# Altium PCB FMC_ADC_128CH_10B.PcbDoc (part 2 of 14)
Units mm, origin at the board's own origin, x right, y up, seen from the top; angles counter-clockwise.
Board outline 76.5 x 69 mm, 8 copper layers (Top Layer, Int1 (Sign), Int2 (GND), Int3 (Sign), Int4 (Sign), Int5 (GND), Int6 (Sign), Bottom Layer), stack 1.433 mm thick; 815 components, 661 nets, 3772 pads, 2072 vias.
Unrouted connection lines stored in the file: 135.
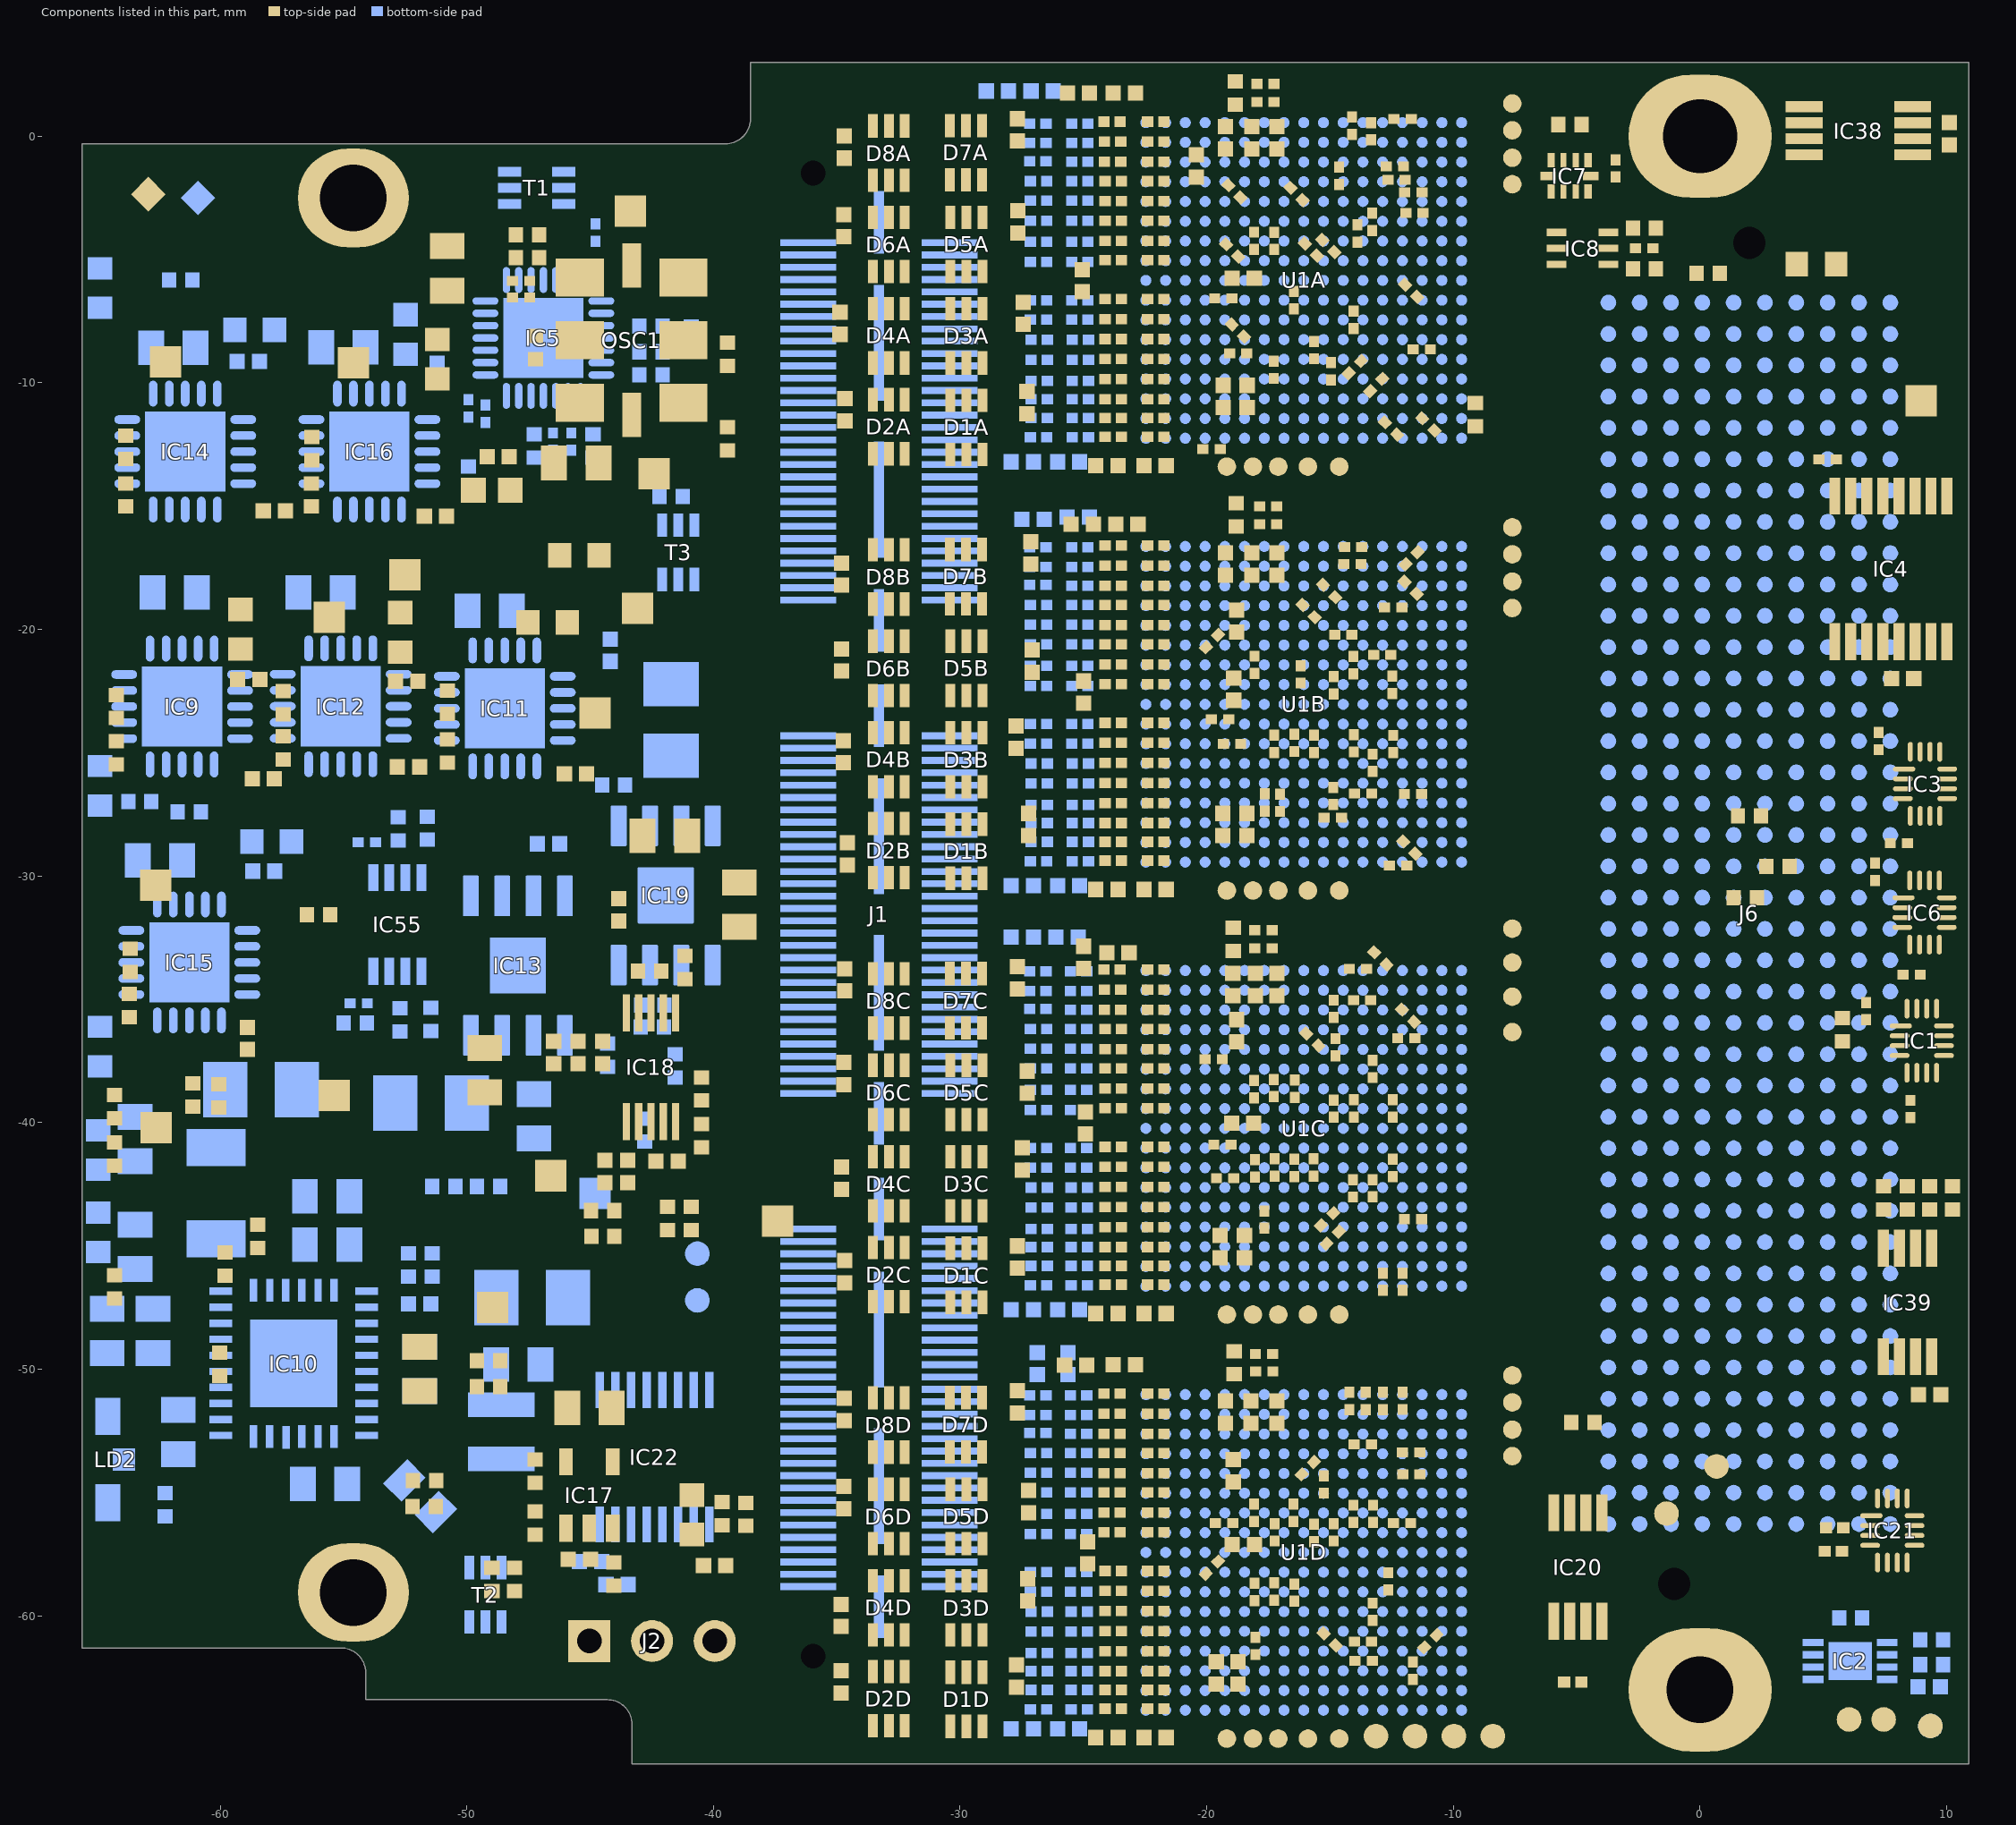
[diagram p8: the components of this part, seen from the top]

## Components (designator, comment, footprint, x,y, rotation, side; value= is the part's Value field where it differs from the comment) (continued)
D1D "D1213A-04S-7" SOT65P210X110-6N -29.74,-63.384 r270 top (schematic designator D1)
D2A "D1213A-04S-7" SOT65P210X110-6N -32.89,-11.778 r270 top (schematic designator D2)
D2B "D1213A-04S-7" SOT65P210X110-6N -32.89,-28.967 r270 top (schematic designator D2)
D2C "D1213A-04S-7" SOT65P210X110-6N -32.89,-46.163 r270 top (schematic designator D2)
D2D "D1213A-04S-7" SOT65P210X110-6N -32.89,-63.358 r270 top (schematic designator D2)
D3A "D1213A-04S-7" SOT65P210X110-6N -29.74,-8.095 r270 top (schematic designator D3)
D3B "D1213A-04S-7" SOT65P210X110-6N -29.74,-25.284 r270 top (schematic designator D3)
D3C "D1213A-04S-7" SOT65P210X110-6N -29.74,-42.48 r270 top (schematic designator D3)
D3D "D1213A-04S-7" SOT65P210X110-6N -29.74,-59.675 r270 top (schematic designator D3)
D4A "D1213A-04S-7" SOT65P210X110-6N -32.89,-8.095 r270 top (schematic designator D4)
D4B "D1213A-04S-7" SOT65P210X110-6N -32.89,-25.284 r270 top (schematic designator D4)
D4C "D1213A-04S-7" SOT65P210X110-6N -32.89,-42.48 r270 top (schematic designator D4)
D4D "D1213A-04S-7" SOT65P210X110-6N -32.89,-59.675 r270 top (schematic designator D4)
D5A "D1213A-04S-7" SOT65P210X110-6N -29.74,-4.387 r270 top (schematic designator D5)
D5B "D1213A-04S-7" SOT65P210X110-6N -29.74,-21.575 r270 top (schematic designator D5)
D5C "D1213A-04S-7" SOT65P210X110-6N -29.74,-38.771 r270 top (schematic designator D5)
D5D "D1213A-04S-7" SOT65P210X110-6N -29.74,-55.967 r270 top (schematic designator D5)
D6A "D1213A-04S-7" SOT65P210X110-6N -32.89,-4.387 r270 top (schematic designator D6)
D6B "D1213A-04S-7" SOT65P210X110-6N -32.89,-21.575 r270 top (schematic designator D6)
D6C "D1213A-04S-7" SOT65P210X110-6N -32.89,-38.771 r270 top (schematic designator D6)
D6D "D1213A-04S-7" SOT65P210X110-6N -32.89,-55.967 r270 top (schematic designator D6)
D7A "D1213A-04S-7" SOT65P210X110-6N -29.765,-0.671 r270 top (schematic designator D7)
D7B "D1213A-04S-7" SOT65P210X110-6N -29.765,-17.859 r270 top (schematic designator D7)
D7C "D1213A-04S-7" SOT65P210X110-6N -29.765,-35.055 r270 top (schematic designator D7)
D7D "D1213A-04S-7" SOT65P210X110-6N -29.765,-52.251 r270 top (schematic designator D7)
D8A "D1213A-04S-7" SOT65P210X110-6N -32.89,-0.678 r270 top (schematic designator D8)
D8B "D1213A-04S-7" SOT65P210X110-6N -32.89,-17.867 r270 top (schematic designator D8)
D8C "D1213A-04S-7" SOT65P210X110-6N -32.89,-35.063 r270 top (schematic designator D8)
D8D "D1213A-04S-7" SOT65P210X110-6N -32.89,-52.259 r270 top (schematic designator D8)
FTG1 "Use only in PCB" FIDUCIAL_TOP_C100-200 9.339,-64.464 r270 bottom
FTG2 "Use only in PCB" FIDUCIAL_TOP_S100-200 -62.912,-2.348 r270 top
FTG3 "Use only in PCB" FIDUCIAL_TOP_C100-200 9.339,-64.464 r180 top
FTG4 "Use only in PCB" FIDUCIAL_TOP_S100-200 -60.894,-2.5 r270 bottom
IC1 "SN74AXC4T245RSV" QFN40P180X260X55-16N 8.991,-36.676 r0 top
IC2 "24AA64T-I/MC" SON50P300X200X100-9N-R175X155 6.085,-61.83 r0 bottom
IC3 "SN74AXC4T245RSV" QFN40P180X260X55-16N 9.123,-26.26 r0 top
IC4 "SN74LVC138APW" SOP65P640X110-16N 7.738,-17.539 r90 top
IC5 "CDCLVD1208RHDT" QFN50P500X500X100-29N-S325 -46.894,-8.178 r180 bottom
IC6 "SN74AXC4T245RSV" QFN40P180X260X55-16N 9.1,-31.479 r0 top
IC7 "SN65LVDS4RSET" "TEXAS_RSE (R-PUQFN-N10)" -5.288,-1.605 r270 top
IC8 "NC7SV157P6X" SC70-6 -5.817,-3.893 r270 top
IC9 "TPS74901RGWT" QFN65P500X500X100-21N-S325 -61.541,-23.125 r270 bottom locked
IC10 "MPM54304GMN" MPS_MPM54304GMN -57.014,-49.76 r90 bottom locked
IC11 "TPS74901RGWT" QFN65P500X500X100-21N-S325 -48.46,-23.201 r270 bottom locked
IC12 "TPS74901RGWT" QFN65P500X500X100-21N-S325 -55.111,-23.116 r270 bottom locked
IC13 "LP2998MRX/NOPB" DDA0008D_M -47.929,-33.628 r270 bottom
IC14 "NCP59748MN2ADJTBG" QFN65P500X500X100-21N-S325 -61.414,-12.787 r270 bottom locked
IC15 "NCP59748MN2ADJTBG" QFN65P500X500X100-21N-S325 -61.248,-33.503 r270 bottom locked
IC16 "NCP59748MN2ADJTBG" QFN65P500X500X100-21N-S325 -53.946,-12.787 r270 bottom locked
IC17 "LT1761ES5-SD#TRMPBF" SOT95P280X100-5N -45.031,-55.099 r90 top
IC18 "AD5259BRMZ5" SOP50P490X110-10N -42.532,-37.753 r270 top
IC19 "LP2998MRX/NOPB" DDA0008D_M -41.936,-30.784 r90 bottom
IC20 "TCA9536DGK" SOP65P490X110-8N -4.953,-58.018 r270 top
IC21 "SN74AXC4T245RSV" QFN40P180X260X55-16N 7.797,-56.538 r0 top
IC22 "MAX11617EEE+T" "16 QSOP" -42.39,-53.569 r270 bottom
IC38 "LM75AIMM/NOPB" SOP65P490X109-8N 6.418,0.227 r0 top
IC39 "LM75AIMM/NOPB" SOP65P490X109-8N 8.412,-47.287 r270 top
IC55 "PCA9306DCTR" SOP65P400X130-8N -52.812,-31.963 r270 bottom
J1 "" SAMTEC_QSH-090-01-L-D-A -33.293,-31.562 r270 bottom locked
J2 "C-Grid III™" MOLEX_90121-0763 -42.491,-61.022 r0 bottom
J6 "VITA 57" SAMTEC_ASP-134488-01 1.998,-31.509 r90 bottom locked
L1 "33R@100MHz" INDC1608X95N -59.179,-19.988 r270 top
L2 "33R@100MHz" INDC1608X95N -52.702,-20.115 r270 top
L3 "1uH" IND_BOURNS_SRP4020TA -60.167,-42.858 r90 bottom
L4 "120R@100MHz" INDC1608X65N -48.984,-14.354 r0 top
L5 "120R@100MHz" INDC1608X95N -51.198,-9.042 r270 top
L6 "1uH" IND_BOURNS_SRN3015 -48.597,-52.536 r90 bottom
L7 "33R@100MHz" INDC1608X95N -45.434,-16.994 r0 top
L8 "33R@100MHz" INDC1608X95N -46.723,-19.715 r0 top
L9 "33R@100MHz" INDC1608X95N -40.874,-55.9 r270 top
L10 "33R@100MHz" INDC1608X95N -58.599,-7.854 r180 bottom
L11 "33R@100MHz" INDC1608X95N -57.909,-28.601 r180 bottom
L12 "33R@100MHz" INDC1608X95N -52.487,-8.035 r270 bottom
LD1 "Green" LED_KINGBRIGHT_KPA-1606CGCK -64.875,-6.152 r270 bottom
LD2 "Red" LED_AVAGO_HSMC-C110 -64.553,-53.656 r270 bottom
LD3 "Green" LED_KINGBRIGHT_KPA-1606CGCK -64.947,-44.446 r270 bottom
LD4 "Green" LED_KINGBRIGHT_KPA-1606CGCK -64.875,-26.34 r270 bottom
LD5 "Green" LED_KINGBRIGHT_KPA-1606CGCK -64.875,-36.912 r270 bottom
LD6 "Green" LED_KINGBRIGHT_KPA-1606CGCK -64.947,-41.105 r270 bottom
OSC1 "0.2-800MHz" OSC_SILICON-LAB_SI549-A -43.314,-8.266 r180 top
R1 "2k2" RESC1005X40N -52.708,-35.833 r270 bottom
R2 "2k2" RESC1005X40N -51.451,-35.818 r270 bottom
R3 "49R9" RESC1005X40N -42.539,-8.739 r180 bottom
R4 "10k" RESC1005X40N 9.391,-60.976 r0 bottom
R5 "1k" RESC1005X40N -9.112,-11.293 r90 top
R6 "10k" RESC1005X40N -64.286,-46.665 r270 top
R7 "10k" RESC1005X40N 9.391,-61.976 r0 bottom
R8 "0" RESC1005X40N -39.434,-8.836 r90 top
R9 "0" RESC1005X40N -47.546,-4.927 r180 top
R10 "0" RESC1005X40N -39.434,-12.266 r270 top
R11 "49R9" RESC1005X40N -42.539,-9.678 r180 bottom
R12 "200" RESC1005X40N -47.209,-8.572 r90 top
R13 "200" RESC1005X40N -47.546,-4.003 r180 top
R14 "49R9" RESC1005X40N -44.88,-12.555 r90 bottom
R15 "10k" RESC1005X40N -40.9,-8.178 r270 bottom
R16 "49R9" RESC1005X40N -47.266,-12.555 r90 bottom
R17A "100" RESC1005X40N -18.842,1.755 r90 top (schematic designator R17)
R17B "100" RESC1005X40N -18.803,-15.356 r90 top (schematic designator R17)
R17C "100" RESC1005X40N -18.926,-32.564 r90 top (schematic designator R17)
R17D "100" RESC1005X40N -18.887,-49.734 r90 top (schematic designator R17)
R18 "100" RESC1005X40N -5.27,0.475 r0 top
R19 "0" RESC1005X40N -42.529,-7.693 r180 bottom
R20 "49R9" RESC1005X40N -2.256,-5.382 r0 top
R21 "2k2" RESC1005X40N -51.601,-28.058 r90 bottom
R22A "49R9" RESC0603X28N -26.819,-12.21 r180 bottom (schematic designator R22)
R22B "49R9" RESC0603X28N -26.819,-29.399 r180 bottom (schematic designator R22)
R22C "49R9" RESC0603X28N -26.819,-46.594 r180 bottom (schematic designator R22)
R22D "49R9" RESC0603X28N -26.819,-63.79 r180 bottom (schematic designator R22)
R23 "1k" RESC1005X40N -61.6,-5.828 r180 bottom
R24A "100" RESC0603X28N -25.121,-12.21 r0 bottom (schematic designator R24)
R24B "100" RESC0603X28N -25.121,-29.399 r0 bottom (schematic designator R24)
R24C "100" RESC0603X28N -25.171,-46.594 r0 bottom (schematic designator R24)
R24D "100" RESC0603X28N -25.171,-63.79 r0 bottom (schematic designator R24)
R25 "1k" RESC1005X40N -62.227,-55.495 r90 bottom
R26A "100" RESC0603X28N -22.069,-12.185 r180 top (schematic designator R26)
R26B "100" RESC0603X28N -22.069,-29.373 r180 top (schematic designator R26)
R26C "100" RESC0603X28N -22.069,-46.569 r180 top (schematic designator R26)
R26D "100" RESC0603X28N -22.069,-63.765 r180 top (schematic designator R26)
R27A "49R9" RESC0603X28N -23.792,-12.185 r180 top (schematic designator R27)
R27B "49R9" RESC0603X28N -23.791,-29.373 r180 top (schematic designator R27)
R27C "49R9" RESC0603X28N -23.792,-46.569 r180 top (schematic designator R27)
R27D "49R9" RESC0603X28N -23.792,-63.765 r180 top (schematic designator R27)
R28A "49R9" RESC0603X28N -26.794,-11.423 r180 bottom (schematic designator R28)
R28B "49R9" RESC0603X28N -26.794,-28.611 r180 bottom (schematic designator R28)
R28C "49R9" RESC0603X28N -26.794,-45.807 r180 bottom (schematic designator R28)
R28D "49R9" RESC0603X28N -26.794,-63.003 r180 bottom (schematic designator R28)
R29A "100" RESC0603X28N -25.121,-11.423 r0 bottom (schematic designator R29)
R29B "100" RESC0603X28N -25.121,-28.611 r0 bottom (schematic designator R29)
R29C "100" RESC0603X28N -25.171,-45.807 r0 bottom (schematic designator R29)
R29D "100" RESC0603X28N -25.171,-63.003 r0 bottom (schematic designator R29)
R30A "100" RESC0603X28N -22.069,-11.423 r180 top (schematic designator R30)
R30B "100" RESC0603X28N -22.069,-28.611 r180 top (schematic designator R30)
R30C "100" RESC0603X28N -22.069,-45.807 r180 top (schematic designator R30)
R30D "100" RESC0603X28N -22.069,-63.003 r180 top (schematic designator R30)
R31A "49R9" RESC0603X28N -23.791,-11.423 r180 top (schematic designator R31)
R31B "49R9" RESC0603X28N -23.791,-28.611 r180 top (schematic designator R31)
R31C "49R9" RESC0603X28N -23.791,-45.807 r180 top (schematic designator R31)
R31D "49R9" RESC0603X28N -23.792,-63.003 r180 top (schematic designator R31)
R32A "49R9" RESC0603X28N -26.794,-10.661 r180 bottom (schematic designator R32)
R32B "49R9" RESC0603X28N -26.794,-27.849 r180 bottom (schematic designator R32)
R32C "49R9" RESC0603X28N -26.794,-45.045 r180 bottom (schematic designator R32)
R32D "49R9" RESC0603X28N -26.794,-62.241 r180 bottom (schematic designator R32)
R33A "100" RESC0603X28N -25.121,-10.661 r0 bottom (schematic designator R33)
R33B "100" RESC0603X28N -25.121,-27.849 r0 bottom (schematic designator R33)
R33C "100" RESC0603X28N -25.171,-45.045 r0 bottom (schematic designator R33)
R33D "100" RESC0603X28N -25.171,-62.241 r0 bottom (schematic designator R33)
R34A "100" RESC0603X28N -22.069,-10.661 r180 top (schematic designator R34)
R34B "100" RESC0603X28N -22.069,-27.849 r180 top (schematic designator R34)
R34C "100" RESC0603X28N -22.069,-45.045 r180 top (schematic designator R34)
R34D "100" RESC0603X28N -22.069,-62.241 r180 top (schematic designator R34)
R35A "49R9" RESC0603X28N -23.792,-10.661 r180 top (schematic designator R35)
R35B "49R9" RESC0603X28N -23.791,-27.849 r180 top (schematic designator R35)
R35C "49R9" RESC0603X28N -23.792,-45.045 r180 top (schematic designator R35)
R35D "49R9" RESC0603X28N -23.792,-62.241 r180 top (schematic designator R35)
R36A "49R9" RESC0603X28N -26.794,-9.924 r180 bottom (schematic designator R36)
R36B "49R9" RESC0603X28N -26.794,-27.113 r180 bottom (schematic designator R36)
R36C "49R9" RESC0603X28N -26.794,-44.308 r180 bottom (schematic designator R36)
R36D "49R9" RESC0603X28N -26.794,-61.504 r180 bottom (schematic designator R36)
R37A "100" RESC0603X28N -25.121,-9.924 r0 bottom (schematic designator R37)
R37B "100" RESC0603X28N -25.121,-27.113 r0 bottom (schematic designator R37)
R37C "100" RESC0603X28N -25.171,-44.308 r0 bottom (schematic designator R37)
R37D "100" RESC0603X28N -25.171,-61.504 r0 bottom (schematic designator R37)
R38A "100" RESC0603X28N -22.069,-9.848 r180 top (schematic designator R38)
R38B "100" RESC0603X28N -22.069,-27.036 r180 top (schematic designator R38)
R38C "100" RESC0603X28N -22.069,-44.232 r180 top (schematic designator R38)
R38D "100" RESC0603X28N -22.069,-61.428 r180 top (schematic designator R38)
R39A "49R9" RESC0603X28N -23.792,-9.848 r180 top (schematic designator R39)
R39B "49R9" RESC0603X28N -23.791,-27.036 r180 top (schematic designator R39)
R39C "49R9" RESC0603X28N -23.792,-44.232 r180 top (schematic designator R39)
R39D "49R9" RESC0603X28N -23.792,-61.428 r180 top (schematic designator R39)
R40A "49R9" RESC0603X28N -26.793,-9.06 r180 bottom (schematic designator R40)
R40B "49R9" RESC0603X28N -26.793,-26.249 r180 bottom (schematic designator R40)
R40C "49R9" RESC0603X28N -26.793,-43.445 r180 bottom (schematic designator R40)
R40D "49R9" RESC0603X28N -26.793,-60.641 r180 bottom (schematic designator R40)
R41A "100" RESC0603X28N -25.121,-9.061 r0 bottom (schematic designator R41)
R41B "100" RESC0603X28N -25.121,-26.249 r0 bottom (schematic designator R41)
R41C "100" RESC0603X28N -25.171,-43.445 r0 bottom (schematic designator R41)
R41D "100" RESC0603X28N -25.171,-60.641 r0 bottom (schematic designator R41)
R42A "100" RESC0603X28N -22.069,-9.035 r180 top (schematic designator R42)
R42B "100" RESC0603X28N -22.069,-26.224 r180 top (schematic designator R42)
R42C "100" RESC0603X28N -22.069,-43.419 r180 top (schematic designator R42)
R42D "100" RESC0603X28N -22.069,-60.615 r180 top (schematic designator R42)
R43A "49R9" RESC0603X28N -23.792,-9.035 r180 top (schematic designator R43)
R43B "49R9" RESC0603X28N -23.791,-26.224 r180 top (schematic designator R43)
R43C "49R9" RESC0603X28N -23.792,-43.419 r180 top (schematic designator R43)
R43D "49R9" RESC0603X28N -23.792,-60.615 r180 top (schematic designator R43)
R44A "49R9" RESC0603X28N -26.793,-8.248 r180 bottom (schematic designator R44)
R44B "49R9" RESC0603X28N -26.793,-25.436 r180 bottom (schematic designator R44)
R44C "49R9" RESC0603X28N -26.793,-42.632 r180 bottom (schematic designator R44)
R44D "49R9" RESC0603X28N -26.793,-59.828 r180 bottom (schematic designator R44)
R45A "100" RESC0603X28N -25.121,-8.248 r0 bottom (schematic designator R45)
R45B "100" RESC0603X28N -25.121,-25.436 r0 bottom (schematic designator R45)
R45C "100" RESC0603X28N -25.171,-42.632 r0 bottom (schematic designator R45)
R45D "100" RESC0603X28N -25.171,-59.828 r0 bottom (schematic designator R45)
R46A "100" RESC0603X28N -22.069,-8.222 r180 top (schematic designator R46)
R46B "100" RESC0603X28N -22.069,-25.411 r180 top (schematic designator R46)
R46C "100" RESC0603X28N -22.069,-42.607 r180 top (schematic designator R46)
R46D "100" RESC0603X28N -22.069,-59.802 r180 top (schematic designator R46)
R47A "49R9" RESC0603X28N -23.791,-8.222 r180 top (schematic designator R47)
R47B "49R9" RESC0603X28N -23.791,-25.411 r180 top (schematic designator R47)
R47C "49R9" RESC0603X28N -23.791,-42.607 r180 top (schematic designator R47)
R47D "49R9" RESC0603X28N -23.792,-59.803 r180 top (schematic designator R47)
R48A "49R9" RESC0603X28N -26.819,-7.435 r180 bottom (schematic designator R48)
R48B "49R9" RESC0603X28N -26.819,-24.623 r180 bottom (schematic designator R48)
R48C "49R9" RESC0603X28N -26.819,-41.819 r180 bottom (schematic designator R48)
R48D "49R9" RESC0603X28N -26.819,-59.015 r180 bottom (schematic designator R48)
R49A "100" RESC0603X28N -25.147,-7.435 r0 bottom (schematic designator R49)
R49B "100" RESC0603X28N -25.147,-24.623 r0 bottom (schematic designator R49)
R49C "100" RESC0603X28N -25.197,-41.819 r0 bottom (schematic designator R49)
R49D "100" RESC0603X28N -25.197,-59.015 r0 bottom (schematic designator R49)
R50A "100" RESC0603X28N -22.069,-7.409 r180 top (schematic designator R50)
R50B "100" RESC0603X28N -22.069,-24.598 r180 top (schematic designator R50)
R50C "100" RESC0603X28N -22.069,-41.794 r180 top (schematic designator R50)
R50D "100" RESC0603X28N -22.069,-58.99 r180 top (schematic designator R50)
R51A "49R9" RESC0603X28N -23.792,-7.409 r180 top (schematic designator R51)
R51B "49R9" RESC0603X28N -23.791,-24.598 r180 top (schematic designator R51)
R51C "49R9" RESC0603X28N -23.792,-41.794 r180 top (schematic designator R51)
R51D "49R9" RESC0603X28N -23.792,-58.99 r180 top (schematic designator R51)
R52A "49R9" RESC0603X28N -26.819,-6.647 r180 bottom (schematic designator R52)
R52B "49R9" RESC0603X28N -26.819,-23.836 r180 bottom (schematic designator R52)
R52C "49R9" RESC0603X28N -26.819,-41.032 r180 bottom (schematic designator R52)
R52D "49R9" RESC0603X28N -26.819,-58.228 r180 bottom (schematic designator R52)
R53A "100" RESC0603X28N -25.147,-6.647 r0 bottom (schematic designator R53)
R53B "100" RESC0603X28N -25.147,-23.836 r0 bottom (schematic designator R53)
R53C "100" RESC0603X28N -25.197,-41.032 r0 bottom (schematic designator R53)
R53D "100" RESC0603X28N -25.197,-58.228 r0 bottom (schematic designator R53)
R54A "100" RESC0603X28N -22.069,-6.597 r180 top (schematic designator R54)
R54B "100" RESC0603X28N -22.069,-23.785 r180 top (schematic designator R54)
R54C "100" RESC0603X28N -22.069,-40.981 r180 top (schematic designator R54)
R54D "100" RESC0603X28N -22.069,-58.177 r180 top (schematic designator R54)
R55A "49R9" RESC0603X28N -23.792,-6.597 r180 top (schematic designator R55)
R55B "49R9" RESC0603X28N -23.791,-23.785 r180 top (schematic designator R55)
R55C "49R9" RESC0603X28N -23.792,-40.981 r180 top (schematic designator R55)
R55D "49R9" RESC0603X28N -23.792,-58.177 r180 top (schematic designator R55)
R56A "49R9" RESC0603X28N -26.819,-5.098 r180 bottom (schematic designator R56)
R56B "49R9" RESC0603X28N -26.819,-22.287 r180 bottom (schematic designator R56)
R56C "49R9" RESC0603X28N -26.819,-39.482 r180 bottom (schematic designator R56)
R56D "49R9" RESC0603X28N -26.819,-56.678 r180 bottom (schematic designator R56)
R57A "100" RESC0603X28N -25.147,-5.098 r0 bottom (schematic designator R57)
R57B "100" RESC0603X28N -25.147,-22.287 r0 bottom (schematic designator R57)
R57C "100" RESC0603X28N -25.197,-39.482 r0 bottom (schematic designator R57)